# Altium PCB MB1720.PcbDoc (part 2 of 3) (continued)
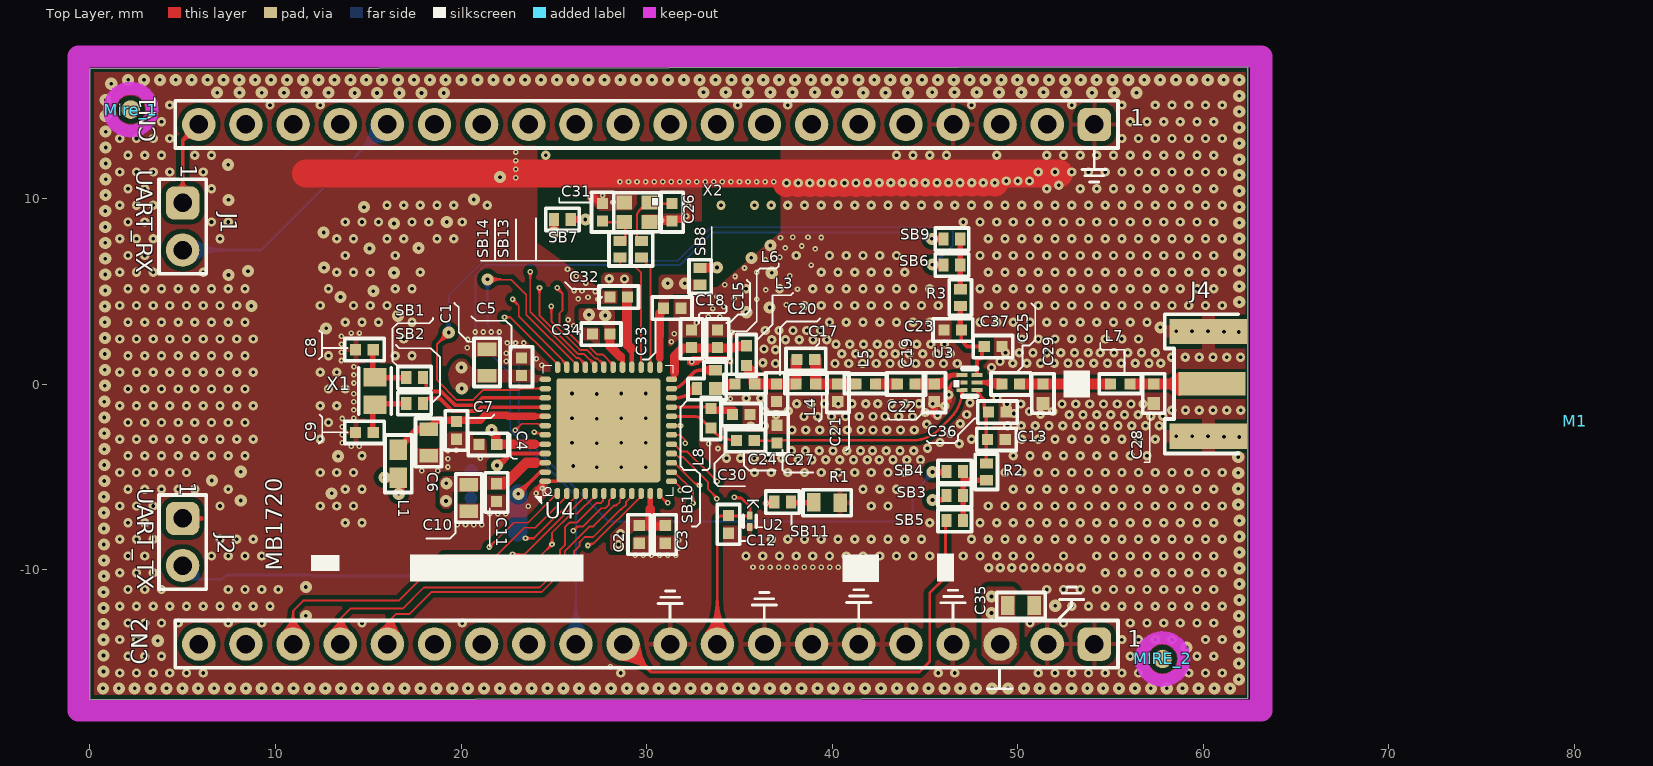
[diagram p0: Top Layer view]
## Nets (pads, with @x,y where several pads share a name; then routed paths per layer and width w, separated by ;. In a path a pad name is that pad's centre, name@x,y a point inside that pad or via, vN(x,y) a via of type N, cw(c..) or ccw(c..) an arc to the next point about the centre after c; other vN are vias at no path point) (continued)
NetC19_2: C19.2 L5.2 | length 1.2
  Top Layer w0.6: L5.2@42.337,0.025 C19.2@43.505,0.025
NetC23_2: C23.2 C37.2 R3.1 U3.6 | length 4.9
  Top Layer w0.2: C23.2@46.95,2.926 46.95,2.346 47.265,2.031 48.142,2.031 48.07,1.958 48.07,1.454 47.983,1.368 47.892,1.368 47.8,1.276 U3.6@47.8,0.564
  Top Layer w0.3: R3.1@46.9,4.226 46.9,2.926 C23.2@46.95,2.926
NetC24_2: C24.2 C27.2 U3.3 | length 12.7
  Top Layer w0.14: C24.2@35.775,-3.035 37.001,-3.035 ccw(c37.001,-3.001) 37.025,-3.025 44.331,-3.025 ccw(c44.331,-1.023) 45.747,-2.439 46.374,-1.811 ccw(c44.863,-0.3) U3.3@47,-0.3 U3.3@47.008,-0.3
NetC25_1: C25.1 U3.5
NetC25_2: C25.2 C29.1 L7.1 | length 4.8
  Top Layer w0.6: C25.2@50.15,0.025 51.15,0.025 L7.1@54.945,0.025
NetC26_1: C26.1 SB13.2 X2.1 | length 3.4
  Top Layer w0.12: SB13.2@29.475,7.675 29.475,9.081 cw(c29.791,9.081) 29.568,9.305 cw(c30.295,8.875) 29.697,9.472 X2.1@29.972,9.747
  Top Layer w0.15: X2.1@30.275,9.725 C26.1@31.375,9.725
NetC28_1: C28.1 J4.1 L7.2 | length 3.2
  Top Layer w0.6: L7.2@56.105,0.025 C28.1@57.325,0.025 J4.1@59.259,0.025
NetC31_1: C31.1 SB14.2 X2.3 | length 2.2
  Top Layer w0.1: X2.3@28.775,8.725 X2.3@28.8,8.75
  Top Layer w0.15: C31.1@27.675,8.725 X2.3@28.775,8.725 ; SB14.2@28.85,7.6 X2.3@28.85,8.7
NetCN1_2: CN1.2 U4.30 | length 38.3
  Top Layer w0.1: v3(25.176,5.195) 25.467,4.904 25.467,3.983 25.306,3.821 25.306,3.267 26.502,2.07 26.861,2.07 27.321,1.609 27.626,1.609 28.2,1.035 U4.30@28.2,0.919
  MidLayer 1 w0.1: v3(25.176,5.195) 25.176,6.901 26.073,7.798 26.073,9.86 27.337,11.123 28.035,11.123 28.281,11.37 cw(c28.351,11.299) 28.352,11.399 37.54,11.399 cw(c37.542,10.849) 37.542,11.399 41.768,11.399 ccw(c41.768,11.939) 41.789,11.4 41.881,11.403 cw(c41.904,10.854) 41.902,11.404 42.522,11.408 cw(c42.527,10.858) 42.527,11.408 46.637,11.408 46.887,11.409 cw(c46.889,10.859) 46.889,11.409 48.957,11.409 ccw(c48.957,11.509) 49.028,11.438 CN1.2@51.59,14
NetCN1_3: CN1.3 U4.31 | length 35.9
  Top Layer w0.1: v3(24.866,4.204) 24.866,3.395 26.411,1.85 26.77,1.85 27.23,1.389 27.346,1.389 27.7,1.035 U4.31@27.7,0.919
  MidLayer 1 w0.1: v3(24.866,4.204) 24.843,4.227 24.843,4.892 24.726,5.009 24.726,6.762 25.688,7.724 25.688,9.794 27.237,11.343 27.943,11.343 28.19,11.59 ; 28.19,11.59 cw(c28.26,11.519) 28.26,11.619 28.348,11.619 cw(c28.352,11.299) 28.352,11.619 41.768,11.619 ccw(c41.768,11.939) 41.781,11.62 41.872,11.623 cw(c41.904,10.854) 41.9,11.624 42.521,11.628 cw(c42.527,10.858) 42.527,11.628 46.637,11.628 ccw(c46.637,11.728) 46.708,11.658 CN1.3@49.05,14
NetCN1_5: CN1.5 U4.32 | length 31.2
  Top Layer w0.1: v3(24.226,5.206) 24.226,3.724 26.32,1.63 26.64,1.63 27.2,1.069 U4.32@27.2,0.919
  MidLayer 1 w0.1: v3(24.226,5.206) 24.249,5.228 24.249,5.624 24.402,5.778 24.402,7.097 24.373,7.126 24.373,8.986 26.95,11.563 27.852,11.563 28.099,11.81 cw(c28.17,11.739) 28.17,11.839 41.768,11.839 ccw(c41.768,11.939) 41.839,11.869 CN1.5@43.97,14
NetCN1_6: CN1.6 U4.36 | length 29.7
  Top Layer w0.1: v3(22.34,3.618) 22.651,3.618 25.2,1.069 U4.36@25.2,0.919
  MidLayer 1 w0.1: v3(22.34,3.618) 22.395,3.618 22.489,3.713 22.55,3.713 23.766,4.929 23.766,5.453 24.182,5.869 24.182,7.006 24.153,7.035 24.153,9.077 26.859,11.783 27.753,11.783 28.003,12.034 cw(c28.074,11.963) 28.074,12.063 39.452,12.063 ccw(c39.452,12.163) 39.523,12.093 CN1.6@41.43,14
NetCN1_7: CN1.7 U4.33 | length 26.7
  Top Layer w0.1: v3(23.732,6.055) 23.732,3.907 26.229,1.41 26.36,1.41 26.7,1.069 U4.33@26.7,0.919
  MidLayer 1 w0.1: v3(23.732,6.055) 23.732,8.968 26.768,12.003 27.662,12.003 27.921,12.262 cw(c27.991,12.191) 27.991,12.291 37.361,12.291 ccw(c37.361,12.391) 37.432,12.321 38.861,13.75 ccw(c38.79,13.82) 38.89,13.82 CN1.7@38.89,14
NetCN1_8: CN1.8 U4.35 | length 24.5
  Top Layer w0.1: v3(22.776,4.575) 23.106,4.245 23.106,3.664 25.7,1.069 U4.35@25.7,0.919
  MidLayer 1 w0.1: v3(22.776,4.575) 22.776,8.335 26.665,12.223 27.571,12.223 27.855,12.508 cw(c27.926,12.437) 27.926,12.537 34.845,12.537 ccw(c34.845,12.637) 34.916,12.566 CN1.8@36.35,14
NetCN1_9: CN1.9 J2.2 U4.5 | length 85.8
  Top Layer w0.1: v2@22.3,-10.325 23.205,-10.325 v3(24.901,-8.629) 24.901,-8.011 25.941,-6.971 26.068,-6.971 26.08,-6.959 26.268,-6.959 27.2,-6.028 U4.5@27.2,-5.878
  MidLayer 1 w0.1: v3(24.901,-8.629) 24.901,-8.27 24.481,-7.85 23.289,-7.85 23.264,-7.875 23.056,-7.875 21.541,-9.39 21.084,-9.39 20.305,-10.169 13.553,-10.169 10.76,-7.375 10.76,-6.212 10.887,-6.084 10.887,9.68 13.236,12.029 18.842,12.029 19.85,13.037 19.85,14.6 20.945,15.695 26.834,15.695 27.302,15.227 32.583,15.227 CN1.9@33.81,14
  Bottom Layer w0.15: J2.2@5,-9.77 5.739,-10.509 7.115,-10.509 7.346,-10.278 11.906,-10.278 11.952,-10.325 v2@22.3,-10.325
  other v2: 22.434,-10.286
NetCN1_10: CN1.10 U4.42 | length 28.8
  Top Layer w0.1: v3(22.925,-2.475) 23.275,-2.125 24.131,-2.125 24.182,-2.176 24.404,-2.176 U4.42@24.419,-2.192
  MidLayer 1 w0.1: v3(22.925,-2.475) 22.925,-1.65 22.128,-0.853 19.781,-0.853 18.455,0.473 18.455,4.86 26.039,12.443 27.48,12.443 27.789,12.753 cw(c27.86,12.682) 27.86,12.782 29.601,12.782 ccw(c29.601,12.882) 29.671,12.812 30.86,14 CN1.10@31.27,14
NetCN1_11: CN1.11 U4.7 | length 57.7
  Top Layer w0.1: v3(26.047,-7.896) 26.272,-7.671 26.559,-7.671 27.549,-6.681 27.781,-6.681 27.963,-6.499 27.963,-6.265 28.2,-6.028 U4.7@28.2,-5.878
  MidLayer 1 w0.1: v3(26.047,-7.896) 26.01,-7.859 26.01,-7.852 25.568,-7.41 23.106,-7.41 23.085,-7.432 22.409,-7.432 21.855,-7.986 21.361,-7.986 20.437,-8.909 13.931,-8.909 11.547,-6.526 11.547,8.598 13.919,10.97 20.37,10.97 22.58,13.18 22.58,14.755 23.02,15.195 24.423,15.195 24.95,14.668 24.95,13.287 25.307,12.93 27.655,12.93 28.725,14 CN1.11@28.73,14
NetCN1_12: CN1.12 U4.17 | length 71.4
  Top Layer w0.1: U4.17@31.338,-3.231 31.488,-3.231 31.884,-3.626 32.201,-3.626 v3(33.8,-5.225)
  MidLayer 1 w0.1: CN1.12@26.19,14 26.025,14.165 26.025,15.075 25.625,15.475 22.675,15.475 22.36,15.16 22.36,13.41 20.15,11.2 13.473,11.2 11.327,9.054 11.327,-6.747 13.851,-9.27 20.387,-9.27 21.339,-8.319 21.884,-8.319 22.216,-7.986 22.313,-7.986 22.644,-7.655 23.172,-7.655 23.197,-7.63 24.716,-7.63 25.436,-8.35 26.382,-8.35 26.494,-8.238 27.025,-8.238 27.89,-9.103 27.89,-9.614 28.5,-10.224 31.566,-10.224 32.307,-9.483 32.307,-8.217 30.69,-6.6 30.69,-6.182 32.412,-4.46 33.035,-4.46 v3(33.8,-5.225)
NetCN1_13: CN1.13 U4.43 | length 24.4
  Top Layer w0.1: v3(23.944,-2.575) U4.43@24.541,-2.731
  MidLayer 1 w0.1: CN1.13@23.65,14 23.65,10.774 18.235,5.359 18.235,0.159 19.534,-1.14 21.878,-1.14 22.302,-1.563 22.302,-2.488 22.739,-2.925 23.594,-2.925 v3(23.944,-2.575)
NetCN1_14: CN1.14 U4.1 | length 45.9
  Top Layer w0.1: v3(21.526,-8.769) 22.831,-7.463 23.608,-7.463 U4.1@25.193,-5.878
  MidLayer 1 w0.1: CN1.14@21.11,14 21.11,13.346 19.525,11.761 13.401,11.761 11.107,9.468 11.107,-6.175 10.98,-6.303 10.98,-7.284 13.488,-9.792 20.238,-9.792 21.262,-8.769 v3(21.526,-8.769)
NetCN1_15: CN1.15 U4.3 | length 46.3
  Top Layer w0.1: v3(23.475,-8.3) 23.928,-8.3 26.2,-6.028 U4.3@26.2,-5.878
  MidLayer 1 w0.1: CN1.15@18.57,14 18.57,13.606 17.263,12.298 12.858,12.298 10.667,10.108 10.667,-5.993 10.54,-6.121 10.54,-7.466 13.585,-10.512 20.73,-10.512 22.632,-8.609 23.166,-8.609 v3(23.475,-8.3)
NetCN1_16: CN1.16 J1.2 U4.4 | length 58.9
  Top Layer w0.1: v3(22.772,-9.161) 23.44,-9.161 25.859,-6.742 25.985,-6.742 26.7,-6.028 U4.4@26.7,-5.878
  MidLayer 1 w0.1: CN1.16@16.03,14 16.03,13.535 15.287,12.792 13.04,12.792 10.447,10.199 10.447,-5.901 10.32,-6.029 10.32,-7.557 13.553,-10.79 20.885,-10.79 22.514,-9.161 v3(22.772,-9.161)
  Bottom Layer w0.15: J1.2@5,7.23 9.26,7.23 CN1.16@16.03,14
NetCN1_17: CN1.17 U4.10 | length 46.6
  Top Layer w0.1: v3@26.856,-8.646 26.839,-8.663 26.919,-8.663 27.006,-8.576 27.152,-8.576 29.7,-6.028 U4.10@29.7,-5.878
  MidLayer 1 w0.1: CN1.17@13.49,14 13.174,14 10.227,11.053 10.227,-5.81 10.1,-5.938 10.1,-7.648 13.462,-11.01 14.242,-11.01 14.384,-11.152 22.999,-11.152 25.073,-9.079 25.276,-9.079 25.468,-8.887 26.613,-8.887 26.812,-8.688 v3(26.839,-8.688)
NetCN1_18: CN1.18 U4.12 | length 54.8
  Top Layer w0.1: U4.12@30.7,-5.878 30.7,-5.987 31.099,-6.386 v3(31.14,-6.386)
  MidLayer 1 w0.1: CN1.18@10.95,14 9.609,12.659 9.609,6.758 9.751,6.617 9.751,4.739 10.007,4.482 10.007,-5.719 9.394,-6.332 9.394,-8.296 11.016,-9.918 11.906,-9.918 13.527,-11.54 23.137,-11.54 25.481,-9.196 26.357,-9.196 26.427,-9.267 26.878,-9.267 27.395,-9.784 27.395,-10.326 27.622,-10.553 32.013,-10.553 32.616,-9.949 32.616,-7.863 v3(31.14,-6.386)
NetCN1_19: CN1.19 J2.1 | length 25.6
  MidLayer 1 w0.2: J2.1@5,-7.23 7.708,-7.23 8.003,-6.935 8.409,-6.935 9.737,-5.607 9.737,4.37 9.192,4.916 9.192,6.473 8.41,7.254 CN1.19@8.41,14
NetCN1_20: CN1.20 J1.1 | length 4.6
  Top Layer w0.2: J1.1@5,9.77 5,13.13 CN1.20@5.87,14
NetCN2_11: CN2.11 SB5.1 | length 25.3
  Top Layer w0.15: CN2.11@28.73,-14 30.23,-15.5 44.7,-15.5 45.25,-14.95 45.25,-11.25 46.102,-10.398 46.102,-7.399 SB5.1@46.153,-7.348
NetCN2_12: CN2.12 SB9.1 | length 48.4
  Top Layer w0.4: v2(45.367,7.835) 45.371,7.831 46,7.831 SB9.1@46.004,7.826
  Bottom Layer w0.1: CN2.12@26.19,-14 26.19,-6.045 ccw(c26.09,-6.045) 26.16,-5.974 22.682,-2.496 cw(c22.752,-2.425) 22.652,-2.425 22.652,0.557 20.78,2.429 20.78,5.897 21.316,6.433 31.816,6.433 33.563,8.18 43.84,8.18 44.16,7.86 45.342,7.86 v2(45.367,7.835)
NetCN2_13: CN2.13 U4.14 | length 18.7
  Top Layer w0.1: U4.14@31.338,-4.731 31.488,-4.731 32.502,-5.744 v3(32.502,-6.4)
  MidLayer 1 w0.1: CN2.13@23.65,-14 23.65,-12.782 25.636,-10.796 26.426,-10.796 26.646,-11.015 32.847,-11.015 33.271,-10.592 33.271,-7.12 32.552,-6.4 v3(32.502,-6.4)
NetCN2_14: CN2.14 U4.15 | length 21.2
  Top Layer w0.1: U4.15@31.338,-4.231 31.488,-4.231 32.67,-5.412 32.81,-5.412 v3(32.848,-5.45)
  MidLayer 1 w0.1: CN2.14@21.11,-14 22.98,-12.13 23.838,-12.13 25.496,-10.472 26.414,-10.472 26.737,-10.795 32.357,-10.795 32.92,-10.232 32.92,-7.517 32.047,-6.644 32.047,-6.155 32.663,-5.54 32.705,-5.54 32.794,-5.45 v3(32.848,-5.45)
NetCN2_15: CN2.15 U4.9 | length 15.1
  Top Layer w0.1: v3(26.093,-9.646) 26.093,-8.99 26.389,-8.695 26.389,-8.502 26.653,-8.238 27.111,-8.238 28.607,-6.742 28.642,-6.742 28.894,-6.49 28.894,-6.334 29.2,-6.028 U4.9@29.2,-5.878
  MidLayer 1 w0.1: CN2.15@18.57,-14 18.57,-13.285 20.064,-11.791 23.336,-11.791 25.48,-9.646 v3(26.093,-9.646)
NetCN2_16: CN2.16 U4.8 | length 17.5
  Top Layer w0.1: CN2.16@16.03,-14 16.265,-13.765 16.265,-12.61 16.5,-12.375 17.225,-12.375 18.4,-11.2 24.336,-11.2 25.59,-9.946 25.59,-8.989 26.925,-7.654 27.131,-7.654 28.261,-6.525 28.375,-6.525 28.55,-6.35 28.55,-6.224 28.7,-6.074 U4.8@28.7,-5.878
NetCN2_17: CN2.17 U4.6 | length 19.7
  Top Layer w0.1: CN2.17@13.49,-14 13.49,-12.635 14.05,-12.075 16.875,-12.075 18,-10.95 24.229,-10.95 25.339,-9.84 25.339,-8.928 25.597,-8.67 25.597,-7.71 25.861,-7.446 26.233,-7.446 26.238,-7.451 26.24,-7.451 27.291,-6.4 27.525,-6.4 27.645,-6.28 27.645,-5.932 U4.6@27.7,-5.878
NetCN2_18: CN2.18 U4.2 | length 19.3
  Top Layer w0.1: CN2.18@10.95,-14 10.95,-12.2 11.494,-11.656 16.645,-11.656 19.084,-9.217 21.338,-9.217 21.339,-9.219 21.92,-9.219 23.412,-7.726 24.001,-7.726 25.7,-6.028 U4.2@25.7,-5.878
NetCN2_19: CN2.19 U4.16 | length 37.3
  Top Layer w0.1: U4.16@31.338,-3.731 31.516,-3.731 31.702,-3.917 31.951,-3.917 32.556,-4.522 32.559,-4.522 33.299,-5.262 33.299,-5.622 33.776,-6.1 33.77,-6.106 v3(33.77,-6.175)
  MidLayer 1 w0.1: CN2.19@8.534,-14.362 8.534,-14.446 9.374,-15.285 26.924,-15.285 27.3,-14.909 27.3,-12.747 28.622,-11.425 33.375,-11.425 33.578,-11.222 33.578,-6.449 33.783,-6.244 33.783,-6.188 v3(33.77,-6.175)
NetCN2_20: CN2.20 U4.13 | length 41.4
  Top Layer w0.1: U4.13@31.338,-5.231 31.488,-5.231 31.803,-5.545 v3(31.803,-5.706)
  MidLayer 1 w0.1: CN2.20@5.87,-14 7.354,-15.484 ccw(c7.405,-15.433) 7.405,-15.505 18.985,-15.505 27.015,-15.505 27.228,-15.505 27.525,-15.208 27.525,-12.975 28.635,-11.865 33.435,-11.865 33.983,-11.317 33.991,-11.317 33.991,-6.622 34.22,-6.394 34.22,-5.832 34.081,-5.692 33.427,-5.692 33.306,-5.572 33.306,-5.27 33.022,-4.986 32.591,-4.986 31.871,-5.706 v3(31.803,-5.706)
NetL2_2: L2.2 U4.47 | length 4.1
  Top Layer w0.2: v2(23.086,-5.901) 24.29,-4.697 24.507,-4.697 U4.47@24.541,-4.731
  Bottom Layer w1: L2.2@23.035,-7.964 23.086,-7.912 v2(23.086,-5.901)
NetL6_2: L6.2 SB10.2 | length 1.1
  Top Layer w0.5: SB10.2@33.698,-0.225 33.798,-0.125 34.325,-0.125 34.475,0.025 L6.2@34.675,0.025
NetR1_2: R1.2 SB11.1 | length 1.2
  Top Layer w0.3: SB11.1@37.773,-6.392 38.984,-6.392 R1.2@39.011,-6.365
NetR2_2: R2.2 SB3.2 SB4.2 SB5.2 | length 4
  Top Layer w0.3: SB5.2@47.053,-7.348 SB3.2@47.053,-5.999 47.053,-5.299 ; SB4.2@47.053,-4.699 47.053,-5.173 47.053,-5.299 ; R2.2@48.303,-5.173 47.179,-5.173 47.053,-5.299
NetR3_2: R3.2 SB6.2 SB9.2 | length 2.7
  Top Layer w0.3: R3.2@46.9,5.126 46.902,5.128 46.902,6.378 46.95,6.426 46.904,6.472 SB9.2@46.904,7.826
NetSB1_1: SB1.1 U4.39 | length 7.6
  Top Layer w0.2: SB1.1@17.943,0.362 18.118,0.187 18.118,-0.162 18.348,-0.391 18.938,-0.391 19.669,-1.123 20.751,-1.123 21.143,-0.731 U4.39@24.541,-0.731
NetSB2_1: SB2.1 U4.40 | length 7.1
  Top Layer w0.2: SB2.1@17.943,-1.039 17.943,-0.964 18.118,-0.789 18.193,-0.789 18.213,-0.769 18.863,-0.769 19.537,-1.443 20.884,-1.443 21.095,-1.231 U4.40@24.541,-1.231
NetSB4_1: SB4.1 U4.34 | length 43.1
  Top Layer w0.1: v2(21.423,5.656) 21.429,5.65 22.133,5.65 22.148,5.635 22.696,5.635 23.512,4.819 23.512,3.758 26.2,1.069 U4.34@26.2,0.919
  Top Layer w0.3: v2(45.398,-4.731) 46.121,-4.731 SB4.1@46.153,-4.699
  Bottom Layer w0.1: v2@21.42,5.659 21.42,3.213 23.107,1.526 23.107,-2.508 ccw(c23.207,-2.508) 23.136,-2.579 27.912,-7.355 ccw(c27.983,-7.284) 27.983,-7.384 34.817,-7.384 43.788,-7.384 ; 43.791,-7.387 44.305,-6.874 ccw(c44.234,-6.803) 44.334,-6.803 44.334,-5.934 cw(c44.434,-5.934) 44.364,-5.863 44.619,-5.607 44.669,-5.557 45.398,-4.828 v2(45.398,-4.731)
NetSB6_1: SB6.1 U4.38 | length 43
  Top Layer w0.1: v2(19.338,2.794) 18.709,2.165 18.709,0.22 19.781,-0.853 19.978,-0.853 20.639,-0.853 21.175,-0.317 23.12,-0.317 23.206,-0.231 U4.38@24.541,-0.231
  Top Layer w0.5: v2(45.405,6.448) ccw(c45.457,6.5) 45.457,6.426 SB6.1@46.004,6.426
  Bottom Layer w0.1: v2(19.338,2.794) 19.338,4.766 21.224,6.653 31.671,6.653 33.479,8.46 46.265,8.46 46.512,8.213 46.512,7.503 45.457,6.448 v2(45.405,6.448)
NetSB10_1: SB10.1 U4.23 | length 2.7
  Top Layer w0.19: U4.23@31.338,-0.231 ccw(c31.338,0.585) 31.915,0.008 32.541,0.634 cw(c32.841,0.335) 32.841,0.758 SB10.1@33.698,0.758
NetSB10_3: SB10.3 U4.22 | length 1.5
  Top Layer w0.19: U4.22@31.494,-0.731 ccw(c31.494,0.996) SB10.3@32.715,-0.225
  Top Layer w0.27: U4.22@31.338,-0.731 U4.22@31.494,-0.731
NetSB11_2: SB11.2 U4.19 | length 7.3
  Top Layer w0.1: U4.19@31.338,-2.231 31.343,-2.226 v3(31.826,-2.226)
  Top Layer w0.4: v3(36.443,-6.409) 36.746,-6.409 SB11.2@36.748,-6.411
  MidLayer 1 w0.1: v3(31.826,-2.226) 31.826,-2.28 31.916,-2.371 31.916,-2.381 32.524,-2.989 32.524,-3.148 33.287,-3.91 33.433,-3.91 35.932,-6.409 v3(36.443,-6.409)
NetSB13_1: SB13.1 U4.26 | length 6
  Top Layer w0.1: SB13.1@29.725,6.769 30.2,6.294 U4.26@30.2,0.919
NetSB14_1: SB14.1 U4.27 | length 6.8
  Top Layer w0.1: SB14.1@28.575,6.825 28.575,6.448 28.666,6.358 29.347,6.358 29.7,6.004 U4.27@29.7,0.919
RFI_N: C30.2 L8.2 U4.21 | length 3.3
  Top Layer w0.1: U4.21@31.338,-1.231 31.343,-1.226 U4.21@31.344,-1.225 ; 33.169,-1.226 L8.2@33.348,-1.405
  Top Layer w0.17: U4.21@31.343,-1.226 33.169,-1.226
  Top Layer w0.4: L8.2@33.489,-1.399 C30.2@34.689,-1.399 ; C30.2@34.63,-1.615 cw(c34.63,-1.635) 34.65,-1.635 C30.2@34.65,-1.615
RFI_P: C24.1 L8.1 U4.20 | length 4.2
  Top Layer w0.097: L8.1@33.383,-2.302 ccw(c33.475,-2.21) L8.1@33.475,-2.34
  Top Layer w0.1: L8.1@33.4,-2.34 L8.1@33.475,-2.34
  Top Layer w0.166: L8.1@33.36,-2.302 ccw(c34.875,-1.103) C24.1@34.875,-3.035
  Top Layer w0.17: U4.20@31.338,-1.731 32.576,-1.731 cw(c32.576,-2.3) 32.979,-1.898 L8.1@33.383,-2.302
VDD: C1.2 C2.2 C3.2 C4.2 C5.2 C10.1 C11.1 C32.2 C35.1 CN2.3 L1.1 SB3.1 SB7.2 U4.11 U4.28 U4.37 U4.44 U4.46 | length 24.4
  Top Layer w0.25: 24.1,-3.225 24.535,-3.225 U4.44@24.541,-3.231 ; U4.28@29.177,0.943 U4.28@29.2,0.919 29.2,1.84
  Top Layer w0.3: 24.015,-4.231 U4.46@24.541,-4.231 ; 30.2,-6.725 U4.11@30.2,-5.878 ; v2(45.402,-6.23) 45.922,-6.23 SB3.1@46.153,-5.999
  Top Layer w0.5: v2(15.866,-5.019) 15.895,-5.048 16.653,-5.048 16.694,-5.089 16.694,-5.711 16.673,-5.733 16.673,-5.876 v2(16.644,-5.905) ; v2(21.649,-2.453) 21.649,-2.493 21.874,-2.719 21.874,-3.216 C4.2@21.899,-3.241 ; C4.2@21.899,-3.225 22.475,-3.225 23.975,-3.225 ; v2(24.998,8.187) SB7.2@24.998,8.727 ; 28.95,2.141 29.153,1.938 29.153,1.906 ; C32.2@28.95,4.7 C32.2@28.975,4.675 ; C2.2@29.575,-7.665 29.6,-7.64 30.3,-7.64 ; 30.15,-7.49 30.3,-7.64 ; 30.2,-7.49 30.2,-6.725 ; C3.2@31.025,-7.665 31,-7.64 30.3,-7.64
  Top Layer w0.55: C11.1@21.911,-5.382 22.219,-5.382 22.343,-5.259 22.491,-5.259 23.519,-4.231 24.015,-4.231 ; 28.95,2.141 C32.2@28.95,4.7
  Top Layer w0.7: CN2.3@49.05,-14 CN2.3@49.26,-13.79 ; C35.1@49.459,-12.056 C35.1@49.459,-11.918
  MidLayer 2 w0.4: v2(45.402,-6.23) 46.126,-6.954 46.126,-10.135 47.424,-11.432 v2(48.584,-11.432)
  other v1: 28.484,-8.637 28.59,-8.053 27.979,5.686 28.811,5.677
  other v2: 48.584,-12.32 19.192,-6.285 19.209,-5.337 20.04,-0.228 20.015,0.902
VDDPA: C33.2 SB7.1 SB8.2 U4.25 | length 11.5
  Top Layer w0.25: 30.7,1.4 U4.25@30.7,0.919 U4.25@30.724,0.943
  Top Layer w0.35: SB7.1@26.04,8.885 v2@26.698,8.885
  Top Layer w0.4: 30.7,1.4 30.7,2.955
  Top Layer w0.5: SB7.1@25.977,8.947 SB7.1@26.04,8.885 ; 30.694,2.602 30.694,3.517 30.694,3.794 30.925,4.025 C33.2@30.925,4.1
  MidLayer 2 w1.5: v2(26.698,8.875) 29.283,8.875 31.426,6.732 31.426,5.66 31.678,5.408
  other v2: 31.134,5.439 32.059,5.439
VDDRF1V55: C14.1 C34.2 L2.1 SB8.1 U4.29 U4.45 | length 27.8
  Top Layer w0.2: v2@22.025,-4.425 22.719,-3.731 U4.45@24.541,-3.731 ; U4.29@28.65,0.97 U4.29@28.7,0.919
  Top Layer w0.25: U4.29@28.7,0.794 U4.29@28.7,0.919 28.7,1.45
  Top Layer w0.5: C34.2@28,2.7 28.025,2.675 28.025,2.05 28.584,1.491 ; SB8.1@32.887,6.258 32.902,6.273 33.775,6.273 v2(33.79,6.287)
  MidLayer 2 w1.3: v2(21.94,-4.374) 23.639,-4.374 24.401,-3.612 24.401,2.431 25.717,3.747 v2(26.893,3.747) 28.639,3.747 29.458,2.928 32.911,2.928 33.79,3.807 v2(33.79,6.287)
  Bottom Layer w0.7: C14.1@20.531,-6.136 C14.1@20.531,-6.136 C14.1@20.538,-6.128
  other v2: 27.77,3.705
VR_PA: C15.1 C18.2 L3.2 U4.24 | length 5.4
  Top Layer w0.3: U4.24@31.338,0.269 31.488,0.269 31.488,0.563
  Top Layer w0.5: 31.5,0.653 31.5,1.496 31.954,1.95 32.423,1.95 33.698,1.95 34.787,1.95 34.887,2.05 35.388,2.05 L3.2@35.398,2.06
pads on no net: Mire_1.1 MIRE_2.1 Mire_2.1 Mire_3.1
copper on no net: | length 0
  Bottom Layer w0.7: 20.538,-4.656 20.546,-4.648 20.559,-4.636

## Polygon pours and split planes (outlines as drawn)
GND on Top Layer "TOP_LAYER_GND_P469" (solid, remove dead copper, pour order 469): -0.132,-16.916 -0.132,17.416 62.401,17.416 62.401,-16.989
VDD on Top Layer "TOP_LAYER_VDD_P467" (solid, pour order 467): 48.354,-10.901 49.758,-10.901 50.087,-11.23 50.091,-14.428 49.503,-15.092 48.534,-15.092 48.044,-14.602 48.044,-11.211
VDD on Top Layer "TOP_LAYER_VDD_P464" (solid, pour order 464): 22.414,-5.688 20.933,-5.688 20.923,-5.678 20.902,-5.698 20.902,-5.793 19.529,-5.793 19.529,-6.519 19.351,-6.697 19.054,-6.697 18.859,-6.503 18.859,-5.156 19.039,-4.953 22.562,-4.953 22.564,-5.537
VDD on Top Layer "TOP_LAYER_VDD_P465" (solid, pour order 465): 19.898,-0.45 20.19,-0.45 ccw(c20.19,-0.226) 20.385,-0.335 20.457,-0.207 cw(c20.981,-0.5) 20.981,0.1 24.379,0.1 cw(c24.55,-0.475) 24.55,0.125 24.55,0.26 24.335,0.475 24.056,0.475 23.755,0.775 22.221,0.775 22.221,0.814 20.927,0.814 cw(c20.927,1.414) 20.403,1.121 20.331,1.249 ccw(c20.136,1.14) 20.136,1.364 19.844,1.364 ccw(c20.35,0.471)
VDD on Top Layer "TOP_LAYER_VDD_P463" (solid, pour order 463): 31.374,-7.201 28.973,-7.202 28.05,-8.022 28.05,-8.88 28.122,-8.952 28.895,-8.952 28.998,-8.849 29,-8.21 29.325,-7.885 31.374,-7.885
VDDRF1V55 on Top Layer "TOP_LAYER_VDDRF1V55_P461" (solid, pour order 461): 27.725,2.35 28.275,2.35 28.275,3.875 ccw(c28.054,3.875) 28.054,4.096 26.496,4.096 ccw(c26.496,3.945) 26.345,3.945 26.345,3.532 ccw(c26.577,3.532) 26.577,3.3 27.475,3.3 27.725,3.05
VDD on Top Layer "TOP_LAYER_VDD_P460" (solid, pour order 460): 29.225,4.675 29.225,5.814 29.02,6.02 27.753,6.024 27.561,5.833 27.561,5.411 27.67,5.302 28.557,5.302 28.675,5.184 28.675,4.675
VDDPA on Top Layer "TOP_LAYER_VDDPA_P462" (solid, pour order 462): 30.65,4.225 30.65,5.775 30.775,5.9 32.205,5.9 32.625,5.479 32.625,5.155 32.345,4.875 31.45,4.875 31.2,4.625 31.2,4.225
GND on MidLayer 2 "MIDLAYER_2_GND_P473" (solid, remove dead copper, pour order 473): 0,-16.907 0,17.322 62.4,17.322 62.401,-16.907
VDD on MidLayer 2 "MIDLAYER_2_VDD_P472" (solid, remove dead copper, pour order 472): 47.777,-15.152 47.777,-13.575 46.821,-12.618 20.9,-12.476 15.472,-7.019 cw(c16.101,-6.394) 15.214,-6.394 15.214,-4.948 cw(c16.741,-4.948) 15.489,-4.074 24.063,8.219 cw(c24.703,7.772) 24.703,8.552 25.217,8.552 cw(c25.217,8.241) 25.528,8.241 25.528,6.515 ccw(c25.959,6.515) 25.959,6.085 28.954,6.084 cw(c28.954,5.802) 29.237,5.802 29.237,4.794 29.106,4.663 29.106,-9.43 29.79,-10.114 48.445,-10.114 49.99,-11.659 49.99,-15.152
GND on MidLayer 2 "MIDLAYER_2_GND_P471" (solid, pour order 471): 25.123,0.237 25.123,-5.222 30.97,-5.222 30.97,0.178
GND on Bottom Layer "BOTTOM_LAYER_GND_P477" (solid, remove dead copper, pour order 477): 0.134,-16.891 0.134,17.322 62.401,17.322 62.401,-16.964
VDDPA on Bottom Layer "NONET_L-01_P-001" (solid, pour order 476): 30.067,6.157 30.067,3.095 32.801,3.095 32.801,6.157
VDDRF1V55 on Bottom Layer "NONET_L-01_P-001" (solid, pour order 474): 20.049,-4.278 21.409,-4.278 21.485,-4.202 21.485,-4.053 21.703,-3.834 22.312,-3.834 22.573,-4.095 22.573,-4.812 22.361,-5.024 21.495,-5.024 ccw(c21.495,-5.714) 21.007,-5.226 ccw(c21.237,-5.456) 20.912,-5.456 20.912,-6.671 21.544,-7.357 21.544,-8.791 20.375,-8.791 20.053,-8.47
VDD on Bottom Layer "NONET_L-01_P-001" (solid, pour order 475): 25.151,6.247 25.151,4.369 29.516,4.369 29.516,6.247
GND on MidLayer 1 "MIDLAYER_1_GND_P470" (solid, remove dead copper, pour order 470): -0.02,-16.98 -0.02,17.322 62.401,17.322 62.401,-17.053

## Keep-outs
Keep-Out Layer:
  lines w1.2: -0.614,-17.583 -0.614,17.664 63.122,17.664 63.122,-17.583 -0.614,-17.583

## Other copper
Top Layer:
  region net NetC19_1: 45.532,0.325 45.799,0.325 ccw(c45.738,0.921) 46.171,0.507 cw(c46.446,0.186) 46.445,0.609 46.776,0.61 46.776,0.388 46.697,0.388 ccw(c46.632,-0.153) 46.209,0.191 46.012,-0.152 cw(c45.767,0.034) 45.757,-0.274 45.532,-0.274
  pour cut-out: 34.356,-0.946 cw(c35.071,-0.741) 34.335,-0.632 ccw(c34.401,-0.785)
  pour cut-out: 32.896,-2.288 ccw(c35.092,-2.911) 32.989,-3.798 33.479,-4.288 33.479,-4.454 32.175,-3.14 32.182,-2.288
  pour cut-out: 17.174,-2.061 ccw(c16.199,-4.435) 16.103,-1.871 cw(c16.605,-2.154)
  pour cut-out: 16.715,0.48 ccw(c15.159,-1.56) 15.729,0.941 cw(c16.141,0.538)
  region net NetC25_1: 49.073,0.325 48.716,0.325 48.2,0.209 48.062,0.208 48.062,-0.012 48.13,-0.009 48.799,-0.276 49.073,-0.276
  pour cut-out: 34.178,0.962 34.933,0.962 34.933,0.424 34.176,0.424
  pour cut-out: 32.365,-0.689 32.905,-0.689 32.905,-1.094 32.392,-1.094
  pour cut-out: 32.686,0.561 33.222,0.561 33.222,0.169 32.694,0.169
  pour cut-out: 38.501,1.835 38.675,1.835 38.675,-0.47 38.508,-0.47
  pour cut-out: 35.218,-0.471 35.378,-0.471 35.378,0.196 35.218,0.196
  pour cut-out: 48.6,-0.475 48.6,-0.126 48.329,-0.126 48.329,-0.473
  pour cut-out: 48.62,0.529 48.341,0.529 48.341,0.345 48.62,0.345
  pour cut-out: 43.82,0.515 43.98,0.515 43.98,-0.465 43.82,-0.465
  pour cut-out: 32.981,8.794 27.995,8.794 26.793,9.996 26.793,11.656 32.981,11.656 32.981,13.086 24.102,13.141 24.102,7.638 27.291,5.311 27.291,6.46 32.651,6.46 32.651,5.233 33.793,5.233 37.223,8.23 37.223,13.086 32.981,13.086
  pour cut-out: 18.899,-2.146 18.899,-2.63 19.377,-2.63 19.377,-2.535 20.626,-2.535 20.629,-2.897 21.33,-2.897 21.33,-2.154
MidLayer 1:
  pour cut-out: 28.352,4.426 26.26,4.426 ccw(c26.26,4.22) 26.054,4.22 26.054,3.41 26.511,2.953 27.996,2.953 ccw(c27.996,3.331) 28.263,3.063 28.459,3.26 ccw(c28.323,3.396) 28.516,3.396 28.516,4.262 ccw(c28.352,4.262)
  pour cut-out: 29.391,6.735 27.347,6.735 ccw(c27.347,6.547) 27.158,6.547 27.158,5.251 27.569,4.84 29.335,4.84 ccw(c29.335,5.055) 29.551,5.055 29.551,6.575 ccw(c29.391,6.575)
  pour cut-out: 35.034,0.815 37.357,0.815 37.357,1.893 39.885,1.893 39.885,0.865 46.007,0.865 46.007,-0.903 35.578,-0.929 35.026,-0.377
  pour cut-out: 48.73,0.864 51.514,0.864 53.23,0.864 58.138,0.864 58.535,1.201 62.298,1.201 62.298,-1.14 58.548,-1.14 58.138,-0.808 48.72,-0.808
  pour cut-out: 27.246,9.716 26.244,9.716 26.244,7.977 27.059,7.977 27.559,8.477 27.559,9.403
  pour cut-out: 34.76,10.098 32.569,10.098 32.569,8.961 30.364,6.736 30.364,3.066 32.447,3.066 34.76,6.536
  pour cut-out: 15.008,-6.607 16.887,-6.607 16.887,-4.792 14.987,-4.792
MidLayer 2:
  pour cut-out: 25.169,-3.911 25.169,-5.203 26.177,-5.203
  pour cut-out: 25.16,-1.129 25.16,0.162 26.168,0.162
  pour cut-out: 25.498,0.166 25.13,0.166 25.13,-5.217 25.498,-5.217
  pour cut-out: 30.628,0.161 30.996,0.161 30.996,-5.222 30.628,-5.222
  pour cut-out: 30.966,-1.134 30.966,0.157 29.958,0.157
Bottom Layer:
  pour cut-out: 32.038,10.963 28.254,10.963 27.087,9.796 27.087,6.33 32.967,6.33 33.344,6.707 33.344,9.657

## Silkscreen, mask and mechanical layers (free items; w line width, h text height)
Top Overlay:
  drawing of 185 lines, arcs and shapes, not listed
  text "UART_RX" at 2.2,11.55 h1.5 r270
  text "UART_TX" at 2.25,-5.6 h1.5 r270
  text "MB1720" at 10.67,-10.041 h1.5 r90
Bottom Overlay:
  text "C" at 18.5,-8.8 h10
  text "MB1720" at 19.75,-11.45 h2.5
Top Paste:
  lines w0.5: 12.622,-7.963 12.622,-9.862 16.82,-9.862 ; 12.629,-7.963 12.629,11.36 16.537,11.36 ; 16.537,11.346 53.232,11.346 53.232,1.286 ; 26.961,-9.859 32.942,-9.852 ; 27.895,-9.862 28.96,-9.862 ; 34.597,-9.856 40.164,-9.847 ; 42.939,-9.864 45.273,-9.847 ; 48.19,-9.862 53.224,-9.862 ; 53.224,-9.876 53.224,-1.391